# Altium PCB OR_TM2Space.PcbDoc (part 1 of 2) (continued)
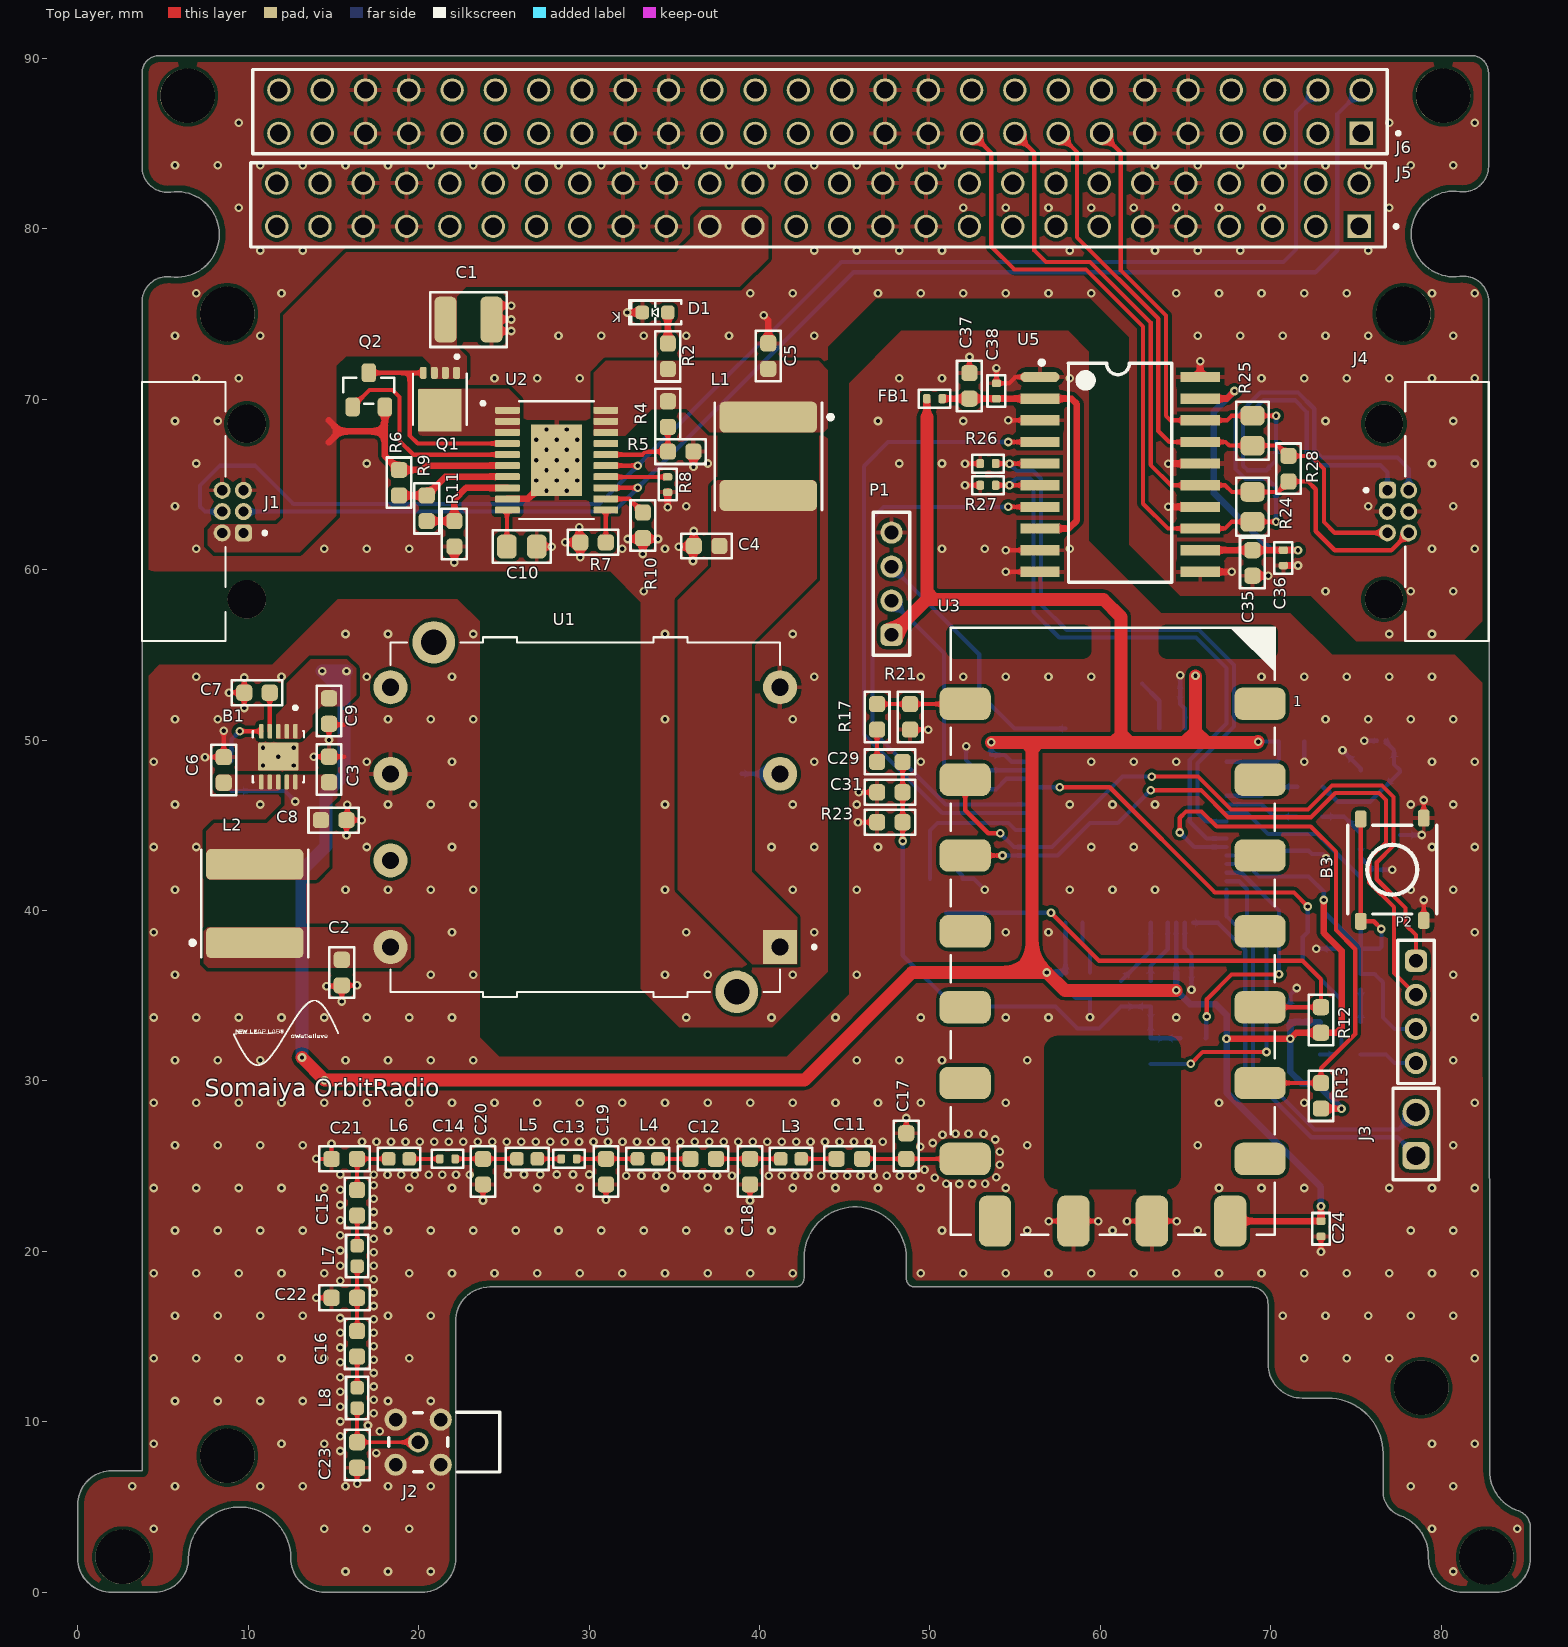
[diagram p0: Top Layer view]
## Components (designator, comment, footprint, x,y, rotation, side; value= is the part's Value field where it differs from the comment)
B1 "ADP7158ACPZ-3.3-R7" "LFCSP -10" 11.769,49.028 r270 top
B2 "STM32F446RET6" LQFP64 61.701,44.978 r180 bottom locked
B3 "PTS526SK15SMTR2 LFS" "PTS526SK15SMTR2 LFS" 77.123,42.393 r270 top
C1 "10uF 50V 1210 X7R" CAP1210S 22.924,74.666 r180 top
C2 "1uF" CAP0603S 15.494,36.358 r270 top value=100pF
C3 "1uF" CAP0603S 14.746,48.274 r90 top value=100pF
C4 "10uF" CAP0603S 36.898,61.388 r180 top value=100pF
C5 "10uF" CAP0603S 40.516,72.527 r90 top value=100pF
C6 "1uF" CAP0603S 8.567,48.249 r90 top value=100pF
C7 "1uF" CAP0603S 10.519,52.778 r180 top value=100pF
C8 "10uF" CAP0603S 15.019,45.303 r0 top value=100pF
C9 "10uF" CAP0603S 14.746,51.703 r270 top value=100pF
C10 "0.012uF 25V X7R" CAP0805S 26.053,61.349 r180 top
C11 "3.6pF" CAP0603S 45.269,25.428 r180 top
C12 "3.3pF" CAP0603S 36.694,25.428 r180 top
C13 "3pF" CAP0402S 28.819,25.428 r180 top
C14 "3pF" CAP0402S 21.695,25.428 r180 top
C15 "3.3pF" CAP0603S 16.394,22.853 r270 top
C16 "3.6pF" CAP0603S 16.394,14.578 r270 top
C17 "5.6pF" CAP0603S 48.612,26.178 r270 top
C18 "20pF" CAP0603S 39.444,24.678 r90 top
C19 "39pF" CAP0603S 30.994,24.678 r90 top
C20 "43pF" CAP0603S 23.779,24.678 r90 top
C21 "39pF" CAP0603S 15.644,25.428 r0 top
C22 "20pF" CAP0603S 15.644,17.278 r0 top
C23 "5.6pF" CAP0603S 16.394,8.056 r90 top
C24 "0.1uF 16V 0402 X7R" CAP0402S 72.942,21.328 r90 top value=0.10μF
C25 "100nF" CAP0402S 71.147,33.9 r90 bottom value="0.10 μF"
C26 "0.1uF 16V 0402 X7R" CAP0402S 65.131,52.771 r180 bottom value=0.10μF
C27 "20pF" C0201 76.476,49.955 r180 bottom
C28 "0.1uF 16V 0402 X7R" CAP0402S 64.901,36.363 r0 bottom value=0.10μF
C29 "4.7uF" CAP0603S 47.649,48.718 r180 top
C30 "20pF" C0201 76.176,42.393 r0 bottom
C31 "0.1uF" CAP0603S 47.649,46.935 r180 top
C32 "100nF" CAP0603S 74.526,37.753 r180 bottom value=100pF
C33 "0.1uF 16V 0402 X7R" CAP0402S 53.6,48.678 r90 bottom value=0.10μF
C34 "0.1uF 16V 0402 X7R" CAP0402S 57.951,35.913 r90 bottom value=0.10μF
C35 "1uF" CAP0603S 68.919,60.389 r270 top
C36 "100nF" CAP0402S 70.734,60.689 r270 top value="0.10 μF"
C37 "1uF" CAP0603S 52.317,70.779 r90 top
C38 "100nF" CAP0402S 53.9,70.479 r90 top value="0.10 μF"
C39 "4.7uF" CAP0603S 59.393,35.613 r270 bottom
C40 "0.1uF" CAP0603S 70.574,42.753 r90 bottom
C41 "1uF" CAP0603S 72.213,42.753 r90 bottom
C42 "0.1uF" CAP0603S 71.225,49.909 r0 bottom
D1 "RED" "LED 0603_RED" 33.874,75.088 r0 top
FB1 "120Ohm Bead" FB0402S 50.269,70.029 r0 top
J1 "G125-MH10605M4P" HARWIN_G125-MH10605M4P 6.225,63.402 r270 top
J2 "CONMMCX001" SAMTEC_MMCX-J-P-H-ST-SM1 19.975,8.806 r0 top
J3 "61300211121" HDR_P2.54_2X1_VERTICAL_TH 78.513,26.889 r90 top
J4 "G125-MH10605M4P" HARWIN_G125-MH10605M4P 80.339,63.409 r90 top
J5 "ESQ-126-39-G-D" SAMTEC_ESQ-126-39-G-D 43.427,81.405 r0 top
J6 "ESQ-126-39-G-D" SAMTEC_ESQ-126-39-G-D 43.554,86.866 r0 top
L1 "100uH" IND_SEMI_SHIELD_6.0X6.0_H4.5_SMD 40.516,66.649 r90 top
L2 "100uH" IND_SEMI_SHIELD_6.0X6.0_H4.5_SMD 10.386,40.408 r270 top
L3 "51nH" IND0603S 41.844,25.428 r180 top
L4 "51nH" IND0603S 33.444,25.428 r180 top
L5 "51nH" IND0603S 26.369,25.428 r180 top
L6 "51nH" IND0603S 18.85,25.428 r180 top
L7 "51nH" IND0603S 16.394,19.728 r270 top
L8 "51nH" IND0603S 16.394,11.403 r270 top
P1 "61300411121" HDR_P2.0_4X1_VERTICAL_TH 47.747,59.175 r90 top
P2 "61300411121" HDR_P2.0_4X1_VERTICAL_TH 78.513,34.05 r270 top
Q1 "CSD19537Q3" TRANS_CSD19537Q3 21.249,69.994 r270 top
Q2 "2N7002-7-F" SOT23_3 17.076,70.544 r270 top
R1 "0E" RES0402S 38.494,48.018 r0 bottom value=1K
R2 "330E 1% 0603" RES0603S 34.624,72.517 r90 top
R3 "10k 10% 0805" RES0805S 9.019,47.888 r90 bottom
R4 "499k 1% 0603" RES0603S 34.624,69.124 r90 top
R5 "56k 1% 0603" RES0603S 35.374,66.924 r180 top
R6 "190k 1% 0603" RES0603S 18.849,65.099 r90 top
R7 "14k 1% 0603" RES0603S 30.234,61.599 r0 top
R8 "80k 1% 0603" RES0402S 34.612,64.986 r90 top
R9 "35k 1% 0603" RES0603S 20.474,63.599 r90 top
R10 "0E_DNP" RES0603S 33.16,62.599 r90 top
R11 "34k 1% 0603" RES0603S 22.099,62.099 r90 top
R12 "CRCW060310K0FKEAC" RES0603S 72.942,33.578 r90 top
R13 "CRCW060310K0FKEAC" RES0603S 72.942,29.128 r90 top
R14 "0E 1% 0402" RES0402S 75.276,35.821 r90 bottom
R15 "10k ohm" RES0603S 65.431,32.5 r180 bottom
R16 "4.7k ohm" RES0603S 62.95,31.75 r90 bottom
R17 "100k ohm" RES0603S 46.899,51.361 r90 top
R18 "10E" RES0603S 72.294,47.258 r0 bottom value=1K
R19 "2.2k ohm" RES0603S 62.951,35.113 r270 bottom
R20 "1k ohm" RES0603S 61.201,35.11 r270 bottom
R21 "1k ohm" RES0603S 48.835,51.361 r270 top
R22 "10E" RES0603S 72.269,45.506 r0 bottom value=1K
R23 "270 ohm" RES0603S 47.649,45.181 r180 top
R24 "120R" RES0805S 68.924,63.679 r270 top
R25 "120R" RES0805S 68.924,68.149 r90 top
R26 "10K" RES0402S 53.4,66.219 r0 top
R27 "10K" RES0402S 53.4,64.949 r0 top
R28 "0E_DNP" RES0603S 71.034,65.919 r90 top
R29 "0E_DNP" RES0603S 70.306,65.584 r270 bottom
R30 "10k ohm" RES0603S 50.759,43.578 r180 bottom
R31 "10k ohm" RES0603S 61.701,53.309 r0 bottom
T1 "2N7002Q-7-F" SOT23_3 50.959,40.867 r90 bottom
U1 "CC6-0505SF-E" CONV_CC6-0505SF-E 29.779,45.478 r180 top locked
U2 "TPS26633PWPR" SOP65P640X110-21N 28.099,66.424 r0 top
U3 "DRA818U" DRA818U 60.719,36.953 r270 top locked
U4 "TPS3828-33DBVR" SOT23-5 74.076,32.5 r90 bottom
U5 "ADM2582EBRWZ" SOIC-20 61.155,65.584 r0 top locked
X1 "8MHz(16pF)[N/A]" WE-XTAL_CFPX-104 76.426,46.331 r270 bottom

## Footprints (in the part's own frame and the unit in brackets; to place one, negate y for a bottom-side part, rotate by r counter-clockwise, add the part's x,y. Pads: shape width x height; smd on the part's side, far side on the other; paste and mask are expansions set on the pad)
C0201 [mm] "C0201"
  rect 0.25x0.35 smd: 1(-0.25,0) 2(0.25,0)
  silkscreen extent -0.55,-0.35 0.55,0.35, body extent -0.3,-0.15 0.3,0.15, height 0.31
CAP0402S [mm] "CHIP Capacitor, 1.0X0.5mm, 0402, soldered"
  rrect50% 0.44x0.54 smd: 1(-0.45,0) 2(0.45,0)
  Top Layer pour cut-out: 0.23,0.3 -0.23,0.3 -0.23,-0.3 0.23,-0.3
  silkscreen extent -0.92,-0.52 0.92,0.52, body extent -0.73,-0.25 0.73,0.25, height 0.51
CAP0603S [mm] "Chip Capacitor, 2-Leads, Body 1.60x0.80mm, IPC Medium Density"
  rrect50% 0.95x0.95 smd: 1(-0.75,0) 2(0.75,0)
  Top Layer pour cut-out: 0.28,0.398 -0.275,0.398 -0.275,-0.398 0.28,-0.398
  silkscreen extent -1.48,-0.73 1.48,0.73, body extent -1.23,-0.4 1.23,0.4, height 0.8
CAP0805S [mm] "Chip Capacitor, 2-Leads, Body 2.00x1.25mm, IPC Medium Density"
  rrect50% 1.15x1.4 smd: 1(-0.875,0) 2(0.875,0)
  Top Layer pour cut-out: 0.3,0.625 -0.3,0.625 -0.3,-0.625 0.3,-0.625
  silkscreen extent -1.7,-0.95 1.7,0.95, body extent -1.4,-0.63 1.4,0.63, height 0.8
CAP1210S [mm]
  rrect50% 1.3x2.7 smd paste+0 mask+0.102: 1(-1.35,0) 2(1.35,0)
  Top Layer pour cut-out: 0.7,1.308 -0.7,1.308 -0.7,-1.332 0.7,-1.332
  silkscreen extent -2.25,-1.6 2.25,1.6, body extent -2,-1.24 2,1.24, height 1.7
CONV_CC6-0505SF-E [mm]
  rect 2x2 hole 1: 1(-11.43,7.62)
  round 2 hole 1: 2(-11.43,-2.54) 3(-11.43,-7.62) 4(11.43,-7.62) 5(11.43,-2.54) 6(11.43,2.54) 7(11.43,7.62)
  round 2.5 hole 1.5: S1(-8.89,10.25) S2(8.89,-10.25)
  silkscreen extent -13.53,-10.55 11.43,10.55, body extent -11.58,-10.55 11.58,10.55, height 8.7
DRA818U [mm]
  rrect50% 1.9x3 smd: 1(-15.175,8.65) 2(-10.725,8.65) 3(-6.275,8.65) 4(-1.825,8.65) 5(2.625,8.65) 6(7.075,8.65) 7(11.525,8.65) 12(11.525,-8.65) 13(7.075,-8.65) 14(2.625,-8.65) 15(-1.825,-8.65) 16(-6.275,-8.65) 17(-10.725,-8.65) 18(-15.175,-8.65)
  rrect50% 3x1.9 smd: 8(15.175,6.9) 9(15.175,2.3) 10(15.175,-2.3) 11(15.175,-6.9)
  Top Layer pour cut-out: -19.367,9.698 -18.32,9.698 -18.221,9.698 -18.039,9.623 -17.9,9.484 -17.825,9.302 -17.825,9.204 -17.825,9.204 -17.825,3.206 -17.825,3.105 -17.902,2.919 -18.044,2.777 -18.23,2.7 -18.331,2.7 -18.331,2.7 -19.326,2.7 -19.425,2.7 -19.609,2.776 -19.749,2.916 -19.825,3.1 -19.825,3.199 -19.825,3.199 -19.825,9.2 -19.825,9.3 -19.749,9.483 -19.608,9.624 -19.425,9.7 -19.325,9.7 -19.325,9.7
  Top Layer pour cut-out: -18.868,-1.25 -18.334,-1.25 -18.233,-1.25 -18.046,-1.327 -17.902,-1.471 -17.825,-1.658 -17.825,-1.759 -17.825,-1.759 -17.825,-9.248 -17.825,-9.348 -17.901,-9.533 -18.042,-9.674 -18.227,-9.75 -18.327,-9.75 -18.327,-9.75 -19.328,-9.75 -19.427,-9.75 -19.609,-9.674 -19.749,-9.534 -19.825,-9.352 -19.825,-9.253 -19.825,-9.253 -19.825,-1.748 -19.825,-1.649 -19.749,-1.466 -19.609,-1.326 -19.426,-1.25 -19.327,-1.25 -19.327,-1.25
  Top Layer pour cut-out: 12.487,4 12.567,4 12.724,3.969 12.872,3.907 13.005,3.818 13.118,3.705 13.207,3.572 13.269,3.424 13.3,3.267 13.3,3.187 13.3,3.187 13.3,-3.197 13.3,-3.276 13.269,-3.431 13.209,-3.578 13.121,-3.709 13.009,-3.821 12.878,-3.909 12.731,-3.969 12.576,-4 12.497,-4 12.497,-4 5.098,-4 5.02,-4 4.865,-3.969 4.72,-3.909 4.589,-3.822 4.478,-3.711 4.391,-3.58 4.331,-3.435 4.3,-3.28 4.3,-3.202 4.3,-3.202 4.3,3.189 4.3,3.269 4.331,3.426 4.392,3.573 4.481,3.706 4.594,3.819 4.727,3.908 4.874,3.969 5.031,4 5.111,4 5.111,4
  silkscreen extent -19.62,-9.5 15.98,9.5
FB0402S [mm] "CHIP Capacitor, 1.0X0.5mm, 0402, soldered"
  rrect50% 0.44x0.54 smd: 1(-0.45,0) 2(0.45,0)
  Top Layer pour cut-out: 0.23,0.25 -0.23,0.25 -0.23,-0.238 0.23,-0.238
  silkscreen extent -0.92,-0.52 0.92,0.52, body extent -0.5,-0.25 0.5,0.25, height 0.51
HARWIN_G125-MH10605M4P [mm]
  rrect50% 1x1 hole 0.6: 1(1.25,3.5)
  round 1 hole 0.6: 2(0,3.5) 3(-1.25,3.5) 4(1.25,2.25) 5(0,2.25) 6(-1.25,2.25)
  round 2.25 hole 2.25 unplated: ""(-5.15,3.7) ""(5.15,3.7)
  silkscreen extent -7.6,-2.45 7.6,4.85, body extent -7.6,-2.45 7.6,5.25, height 5.25
HDR_P2.0_4X1_VERTICAL_TH [mm] "Pin Header, pitch 2.00 mm, THT, Vertical, single row, 4p"
  rrect50% 1.3x1.3 hole 0.8: 1(-3,0)
  round 1.3 hole 0.8: 2(-1,0) 3(1,0) 4(3,0)
  silkscreen extent -4.2,-1.07 4.2,1.07, body extent -4,-1 4,1, height 6.05
HDR_P2.54_2X1_VERTICAL_TH [mm] "Pin Header, pitch 2.54 mm, THT, Vertical, single row, 2p"
  rrect50% 1.6x1.6 hole 1.1: 1(-1.27,0)
  round 1.6 hole 1.1: 2(1.27,0)
  silkscreen extent -2.69,-1.35 2.69,1.35, body extent -2.54,-1.27 2.54,1.27, height 8.57
IND0603S [mm] "Chip Capacitor, 2-Leads, Body 1.60x0.80mm, IPC Medium Density"
  rrect50% 0.8x0.8 smd: 1(-0.6,0) 2(0.6,0)
  Top Layer pour cut-out: 0.2,0.398 -0.2,0.398 -0.2,-0.398 0.2,-0.398
  silkscreen extent -1.25,-0.65 1.25,0.65, body extent -0.8,-0.4 0.8,0.4, height 0.81
IND_SEMI_SHIELD_6.0X6.0_H4.5_SMD [mm] "SMD Power Inductor, 2-Leads, body 6x6mm"
  rrect30% 1.8x5.7 smd: 1(2.3,0) 2(-2.3,0)
  Top Layer pour cut-out: 1.4,3 -1.4,3 -1.4,-3 1.4,-3
  silkscreen extent -3.15,-3.78 3.15,3.15, body extent -3,-3 3,3, height 4.52
"LED 0603_RED" [mm] "Chip Diode, 2-Leads, Body 1.60x0.80mm, IPC Medium Density"
  rrect50% 0.8x0.8 smd: 1(0.75,0) 2(-0.75,0)
  Top Layer pour cut-out: 0.35,0.475 -0.35,0.475 -0.35,-0.475 0.35,-0.475
  silkscreen extent -1.52,-0.7 1.52,0.7, body extent -0.81,-0.4 0.81,0.4, height 0.65
"LFCSP -10" [mm]
  rrect50% 0.86x0.27 smd: 1(-1.485,1) 2(-1.485,0.5) 3(-1.485,0) 4(-1.485,-0.5) 5(-1.485,-1) 6(1.485,-1) 7(1.485,-0.5) 8(1.485,0) 9(1.485,0.5) 10(1.485,1)
  rrect10% 1.64x2.38 smd: 11(0,0)
  silkscreen extent -2.96,-1.5 1.5,1.5, body extent -1.5,-1.5 1.5,1.5, height 0.85
LQFP64 [mm] "TSQFP, 64-Leads, Body 10.00x10.00mm, Pitch 0.50mm, IPC Medium Density"
  oval 1.4x0.3 smd: 1(-5.7,3.75) 2(-5.7,3.25) 3(-5.7,2.75) 4(-5.7,2.25) 5(-5.7,1.75) 6(-5.7,1.25) 7(-5.7,0.75) 8(-5.7,0.25) 9(-5.7,-0.25) 10(-5.7,-0.75) 11(-5.7,-1.25) 12(-5.7,-1.75) 13(-5.7,-2.25) 14(-5.7,-2.75) 15(-5.7,-3.25) 16(-5.7,-3.75) 33(5.7,-3.75) 34(5.7,-3.25) 35(5.7,-2.75) 36(5.7,-2.25) 37(5.7,-1.75) 38(5.7,-1.25) 39(5.7,-0.75) 40(5.7,-0.25) 41(5.7,0.25) 42(5.7,0.75) 43(5.7,1.25) 44(5.7,1.75) 45(5.7,2.25) 46(5.7,2.75) 47(5.7,3.25) 48(5.7,3.75)
  oval 0.3x1.4 smd: 17(-3.75,-5.7) 18(-3.25,-5.7) 19(-2.75,-5.7) 20(-2.25,-5.7) 21(-1.75,-5.7) 22(-1.25,-5.7) 23(-0.75,-5.7) 24(-0.25,-5.7) 25(0.25,-5.7) 26(0.75,-5.7) 27(1.25,-5.7) 28(1.75,-5.7) 29(2.25,-5.7) 30(2.75,-5.7) 31(3.25,-5.7) 32(3.75,-5.7) 49(3.75,5.7) 50(3.25,5.7) 51(2.75,5.7) 52(2.25,5.7) 53(1.75,5.7) 54(1.25,5.7) 55(0.75,5.7) 56(0.25,5.7) 57(-0.25,5.7) 58(-0.75,5.7) 59(-1.25,5.7) 60(-1.75,5.7) 61(-2.25,5.7) 62(-2.75,5.7) 63(-3.25,5.7) 64(-3.75,5.7)
  silkscreen extent -5.82,-4.6 4.6,4.6, body extent -6,-6 6,6, height 1.6
"PTS526SK15SMTR2 LFS" [mm]
  rrect50% 1x0.7 smd: 1(-3.025,1.85) 2(2.975,1.85) 3(-2.975,-1.85) 4(3.025,-1.85)
  silkscreen extent -2.6,-2.6 2.6,2.6
RES0402S [mm] "CHIP Capacitor, 1.0X0.5mm, 0402, soldered"
  rrect50% 0.44x0.54 smd: 1(-0.45,0) 2(0.45,0)
  Top Layer pour cut-out: 0.23,0.398 -0.23,0.398 -0.23,-0.398 0.23,-0.398
  silkscreen extent -0.92,-0.52 0.92,0.52, body extent -0.73,-0.25 0.73,0.25, height 0.51
RES0603S [mm] "Chip Capacitor, 2-Leads, Body 1.60x0.80mm, IPC Medium Density"
  rrect50% 0.95x0.95 smd: 1(-0.75,0) 2(0.75,0)
  Top Layer pour cut-out: 0.28,0.398 -0.275,0.398 -0.275,-0.398 0.28,-0.398
  silkscreen extent -1.48,-0.73 1.48,0.73, body extent -1.23,-0.4 1.23,0.4, height 0.8
RES0805S [mm] "Chip Capacitor, 2-Leads, Body 2.00x1.25mm, IPC Medium Density"
  rrect50% 1.15x1.4 smd: 1(-0.875,0) 2(0.875,0)
  Top Layer pour cut-out: 0.3,0.625 -0.3,0.625 -0.3,-0.625 0.3,-0.625
  silkscreen extent -1.7,-0.95 1.7,0.95, body extent -1.15,-0.67 1.15,0.67, height 0.76
SAMTEC_ESQ-126-39-G-D [mm]
  rect 1.37x1.37 hole 1.02: 01(31.75,-1.27)
  round 1.37 hole 1.02: 02(31.75,1.27) 03(29.21,-1.27) 04(29.21,1.27) 05(26.67,-1.27) 06(26.67,1.27) 07(24.13,-1.27) 08(24.13,1.27) 09(21.59,-1.27) 10(21.59,1.27) 11(19.05,-1.27) 12(19.05,1.27) 13(16.51,-1.27) 14(16.51,1.27) 15(13.97,-1.27) 16(13.97,1.27) 17(11.43,-1.27) 18(11.43,1.27) 19(8.89,-1.27) 20(8.89,1.27) 21(6.35,-1.27) 22(6.35,1.27) 23(3.81,-1.27) 24(3.81,1.27) 25(1.27,-1.27) 26(1.27,1.27) 27(-1.27,-1.27) 28(-1.27,1.27) 29(-3.81,-1.27) 30(-3.81,1.27) 31(-6.35,-1.27) 32(-6.35,1.27) 33(-8.89,-1.27) 34(-8.89,1.27) 35(-11.43,-1.27) 36(-11.43,1.27) 37(-13.97,-1.27) 38(-13.97,1.27) 39(-16.51,-1.27) 40(-16.51,1.27) 41(-19.05,-1.27) 42(-19.05,1.27) 43(-21.59,-1.27) 44(-21.59,1.27) 45(-24.13,-1.27) 46(-24.13,1.27) 47(-26.67,-1.27) 48(-26.67,1.27) 49(-29.21,-1.27) 50(-29.21,1.27) 51(-31.75,-1.27) 52(-31.75,1.27)
  silkscreen extent -33.28,-2.47 34.02,2.47, body extent -33.28,-2.61 33.27,2.47, height 11.11
SAMTEC_MMCX-J-P-H-ST-SM1 [mm]
  round 1.2 hole 0.8: 1(0,0)
  round 1.295 hole 0.8: 2(-1.325,1.325) 3(-1.325,-1.325) 4(1.325,-1.325) 5(1.325,1.325)
  silkscreen extent -1.73,-1.75 4.77,1.75, body extent -1.75,-1.75 4.75,1.75, height 3.9
SOIC-20 [mm] "SOIC, 16-Leads, Body 10.5x7.6mm (max), Pitch 1.27mm, IPC Medium Density"
  oval 2.3x0.6 smd: 1(-4.7,5.715)
  rect 2.3x0.6 smd: 2(-4.7,4.445) 3(-4.7,3.175) 4(-4.7,1.905) 5(-4.7,0.635) 6(-4.7,-0.635) 7(-4.7,-1.905) 8(-4.7,-3.175) 9(-4.7,-4.445) 10(-4.7,-5.715) 11(4.7,-5.715) 12(4.7,-4.445) 13(4.7,-3.175) 14(4.7,-1.905) 15(4.7,-0.635) 16(4.7,0.635) 17(4.7,1.905) 18(4.7,3.175) 19(4.7,4.445) 20(4.7,5.715)
  silkscreen extent -4.72,-6.32 3.04,6.69, body extent -5.07,-6.3 5.07,6.3, height 2.3
SOP65P640X110-21N [mm]
  rrect25% 1.44x0.41 smd: 1(-2.885,2.925) 2(-2.885,2.275) 3(-2.885,1.625) 4(-2.885,0.975) 5(-2.885,0.325) 6(-2.885,-0.325) 7(-2.885,-0.975) 8(-2.885,-1.625) 9(-2.885,-2.275) 10(-2.885,-2.925) 11(2.885,-2.925) 12(2.885,-2.275) 13(2.885,-1.625) 14(2.885,-0.975) 15(2.885,-0.325) 16(2.885,0.325) 17(2.885,0.975) 18(2.885,1.625) 19(2.885,2.275) 20(2.885,2.925)
  rect 3x4.2 smd: 21(0,0)
  silkscreen extent -4.42,-3.45 2.2,3.45, body extent -3.2,-3.25 3.2,3.25, height 1.1
SOT23-5 [mm] "SOT-23/SC-74A; 5 Leads; Body 3 x 3 mm, inc. leads (LxW max)"
  rrect50% 0.55x1.1 smd: 1(0.95,1.2) 2(0,1.2) 3(-0.95,1.2) 4(-0.95,-1.2) 5(0.95,-1.2)
  silkscreen extent -1.65,-2.2 1.65,2.2, body extent -1.5,-1.25 1.5,1.25, height 1.15
SOT23_3 [mm] "SOT-23, Micro3, MO-178, TO-236AB, MO-193C, SuperSOT3, SC-59, 1.9mm pitch 3X1.5mm body"
  rrect50% 1.1x0.85 smd: 1(1,-0.95) 2(1,0.95) 3(-1,0)
  silkscreen extent -0.7,-1.5 0.8,1.5, body extent -1.32,-1.5 1.32,1.5, height 1.08
TRANS_CSD19537Q3 [mm]
  rrect50% 0.7x0.4 smd: 1(-1.55,0.975) 2(-1.55,0.325) 3(-1.55,-0.325) 4(-1.55,-0.975)
  rrect5% 2.51x2.55 smd paste+0: 5(0.645,0)
  silkscreen extent -2.6,-1.58 1.5,1.58, body extent -1.65,-1.73 1.65,1.73, height 0.9
WE-XTAL_CFPX-104 [mm] "Quartz Crystal, size CFPX-104, body 5x3.2mm"
  rrect50% 1.6x1.4 smd: 1(-1.9,-1.15) 2(1.9,-1.15) 3(1.9,1.15) 4(-1.9,1.15)
  silkscreen extent -3.32,-1.68 0.75,1.68, body extent -2.5,-1.6 2.5,1.6, height 1

## Part data
B1: "LDO Voltage Regulators 3.3/5Vin 2A Ultra Low Noise LDO Fixed", Manufacturer_Name="Analog Devices", Mouser Part Number=584-ADP7158ACPZ3.3R7, Datasheet Link=http://www.analog.com/media/en/technical-documentation/data-sheets/ADP7158.pdf, Geometry.Height=0.85mm, Manufacturer_Part_Number=ADP7158ACPZ-3.3-R7, Mouser Price/Stock=https://www.mouser.co.uk/ProductDetail/Analog-Devices/ADP7158ACPZ-3.3-R7?qs=JeIcUl65ClCPnjVOMj%2F7AA%3D%3D
B2: "32-Bit MCU+DSP 512K Flash 180MHz LQFP64 STMicroelectronics STM32F446RET6, 32bit ARM Cortex M4 MCU, 180MHz, 512 kB Flash, 64-Pin LQFP", Manufacturer_Name=STMicroelectronics, Mouser Part Number=511-STM32F446RET6, Datasheet Link=https://datasheet.datasheetarchive.com/originals/distributors/DKDS41/DSANUWW0028583.pdf, Geometry.Height=1.6mm, Manufacturer_Part_Number=STM32F446RET6, Mouser Price/Stock=https://www.mouser.co.uk/ProductDetail/STMicroelectronics/STM32F446RET6?qs=Ok1pvOkw6%2FqpQsWf8F4wtQ%3D%3D
B3: library part "SW PUSHBUTTON", "SE PUSHBUTTON"
C1: library part CAP_1210, "Capacitor SMD 1210"
C2 C3 C4 C5 C6 C7 C8 C9 C27 C30 C32: library part CAP, "Capacitor"
  C2 C3 C4 C5 C6 C7 C8 C9 C32: Published=8-Jun-2000, Publisher="Altium Limited", Revision="July-2002: Re-released for DXP Platform."
C10: library part CAP_0603, "Capacitor SMD 0603"
C11 C16: library part CBR06C369BAGAC, "CBR-SMD RF C0G, Ceramic, 3.6 pF, +/-0.1 pF, 250 VDC, 500 VDC, 125C, -55C, C0G, SMD, Fixed, RF, Ultra High Q, Low ESR, Class I, 0.21 % , 10 GOhms, 472, 5.6 mg, 0603, 1.6mm, 0.8mm, 0.8mm, 0.4mm, 4000, 78  Weeks, 120", Manufacturer_Name=KEMET, Datasheet Link=http://www.kemet.com/Lists/ProductCatalog/Attachments/490/KEM_C1030_CBR_SMD.pdf, Geometry.Height=0.87mm, Manufacturer_Part_Number=CBR06C369BAGAC
C12 C15: library part VJ0603D3R3BXPAJ, "Vishay 0603 VJ 3.3pF Ceramic Multilayer Capacitor, 250 V, +125C, COG Dielectric, +/-0.1pF SMD", Manufacturer_Name=Vishay, Datasheet Link=https://g.componentsearchengine.com/Datasheets/2/VJ0603D3R3BXPAJ.pdf, Geometry.Height=0.94mm, Manufacturer_Part_Number=VJ0603D3R3BXPAJ
C13 C14: library part VJ0603D3R3BXPAJ, "QSCF500Q3R0B1GV001T JOHANSON TECHNOLOGY, Capacitor, RF, 3 pF, 50 V, S Series, ± 0.1pF, 150 °C, 0402 [1005 Metric]", Manufacturer_Name=Vishay, Datasheet Link=https://g.componentsearchengine.com/Datasheets/2/VJ0603D3R3BXPAJ.pdf, Geometry.Height=0.94mm, Manufacturer_Part_Number=VJ0603D3R3BXPAJ
C17 C23: library part 06032U5R6CAT2A, "AVX 0603 U 5.6pF Ceramic Multilayer Capacitor, 200 V dc, +125C, C0G Dielectric, +/-0.25pF SMD", Manufacturer_Name="Kyocera AVX", Mouser Part Number=581-06032U5R6CAT2A, Datasheet Link=https://componentsearchengine.com/Datasheets/1/06032U5R6CAT2A.pdf, Geometry.Height=0.9mm, Manufacturer_Part_Number=06032U5R6CAT2A, Mouser Price/Stock=https://www.mouser.com/Search/Refine.aspx?Keyword=581-06032U5R6CAT2A
C18 C22: library part CBR02C200F5GAC, "CBR-SMD RF C0G, Ceramic, 20 pF, 1%, 50 VDC, 125 VDC, 125C, -55C, C0G, SMD, Fixed, RF, Ultra High Q, Low ESR, Class I, 0.12 % , 10 GOhms, 800, 0.3 mg, 0201, 0.6mm, 0.3mm, 0.3mm, 0.15mm, 15000, 78  Weeks, 120", Manufacturer_Name=KEMET, Datasheet Link=http://www.kemet.com/Lists/ProductCatalog/Attachments/490/KEM_C1030_CBR_SMD.pdf, Geometry.Height=0.33mm, Manufacturer_Part_Number=CBR02C200F5GAC
C19: library part C0603H390J5GACTU, "Capacitor-C0603H390J5GACTU", Manufacturer_Name=KEMET, Datasheet Link=https://content.kemet.com/datasheets/KEM_C1001_C0G_200C_SMD.pdf, HEIGHT=0.87mm, Manufacturer_Part_Number=C0603H390J5GACTU
C20: library part CBR06C430J5GACAUTO, "Capacitor", Manufacturer_Name=KEMET, Mouser Part Number=80-CBR06C430J5GAUTO, Datasheet Link=https://search.kemet.com/download/datasheet/CBR06C430J5GACAUTO, Manufacturer_Part_Number=CBR06C430J5GACAUTO, Mouser Price/Stock=https://www.mouser.co.uk/ProductDetail/KEMET/CBR06C430J5GACAUTO?qs=By6Nw2ByBD0kalJAqVwXIA%3D%3D
C21: library part C0603H390J5GACTU, "Capacitor", Manufacturer_Name=KEMET, Datasheet Link=https://content.kemet.com/datasheets/KEM_C1001_C0G_200C_SMD.pdf, HEIGHT=0.87mm, Manufacturer_Part_Number=C0603H390J5GACTU
C24 C26 C28 C33 C34: library part 236180d848d6139a670b325ea6854c9, "CAP CER 0.1UF 16V X7R 0402", Capacitance=0.10μF, Manufacturer=Murata, Manufacturer Part Number=GRM155R71C104KA88D, Package=GRM15, Temperature="-55°C to +125°C", Temperature Characteristic=X7R, Temperature Range High=+125°C, Temperature Range Low=-55°C, Tolerance=10%, Voltage Rating=16Vdc, Category=Cap, ComponentLink2Description=Datasheet, ComponentLink2URL=https://search.murata.co.jp/Ceramy/image/img/A01X/G101/ENG/GRM155R71H471KA01-01A.pdf, Device Class L1="Passive Components", Device Class L2=Capacitors, Device Class L3="Ceramic Capacitors", Digikey Description="CAP CER 0.1UF 16V X7R 0402", HEIGHT=0.55mm, Ipc Land Pattern Name=CAPC10050X219, Lead Free=yes, Material=Ceramic, Mouser Description="0402 0.1 uF 16V ±10 % Tolerance X7R SMT Multilayer Ceramic Capacitor", Octopart=https://octopart.com/grm155r71c104ka88d-murata-196880, ROHS=TRUE, Standoff Height=0mm
C25 C36 C38: library part b4654b650e69147ec39a6b967a45e02, "CAP CER 0.1UF 10V X5R 0402", Capacitance="0.10 μF", Manufacturer=Kemet, Manufacturer Part Number=C0402C104K8PACTU, Package=C0402-BB, Temperature="-55°C to +125°C", Temperature Characteristic=X5R, Temperature Coefficient=15%, Temperature Range High=+125°C, Temperature Range Low=-55°C, Tolerance=0.1, Voltage Rating="10 V", Automotive=No, Category=Cap, ComponentLink2Description=Datasheet, ComponentLink2URL=https://content.kemet.com/datasheets/KEM_C1002_X7R_SMD.pdf, Device Class L1="Passive Components", Device Class L2=Capacitors, Device Class L3="Ceramic Capacitors", Digikey Description="CAP CER 0.1UF 10V X5R 0402", HEIGHT=0.55mm, Ipc Land Pattern Name=CAPC10050X50, Lead Free=Yes, Material=Ceramic, Mouser Description="Capacitor 100 nF 10 VDC 0402", Octopart=https://octopart.com/c0402c104k8pactu-kemet-140039, ROHS=TRUE